# Altium PCB roach2.PcbDoc (part 37 of 39)
Units mil, origin at the board's own origin, x right, y up, seen from the top; angles counter-clockwise.
Board outline 12007.87 x 9606.3 mil, 16 copper layers (L1_TOP, L2_G, L3_S, L4_G, L5_S, L6_P, L7_G, L8_R, L9_R, L10_P, L11_P, L12_S, L13_P, L14_S, L15_G, L16_BOT), stack 81.651 mil thick; 1608 components, 1934 nets, 9335 pads, 6759 vias.
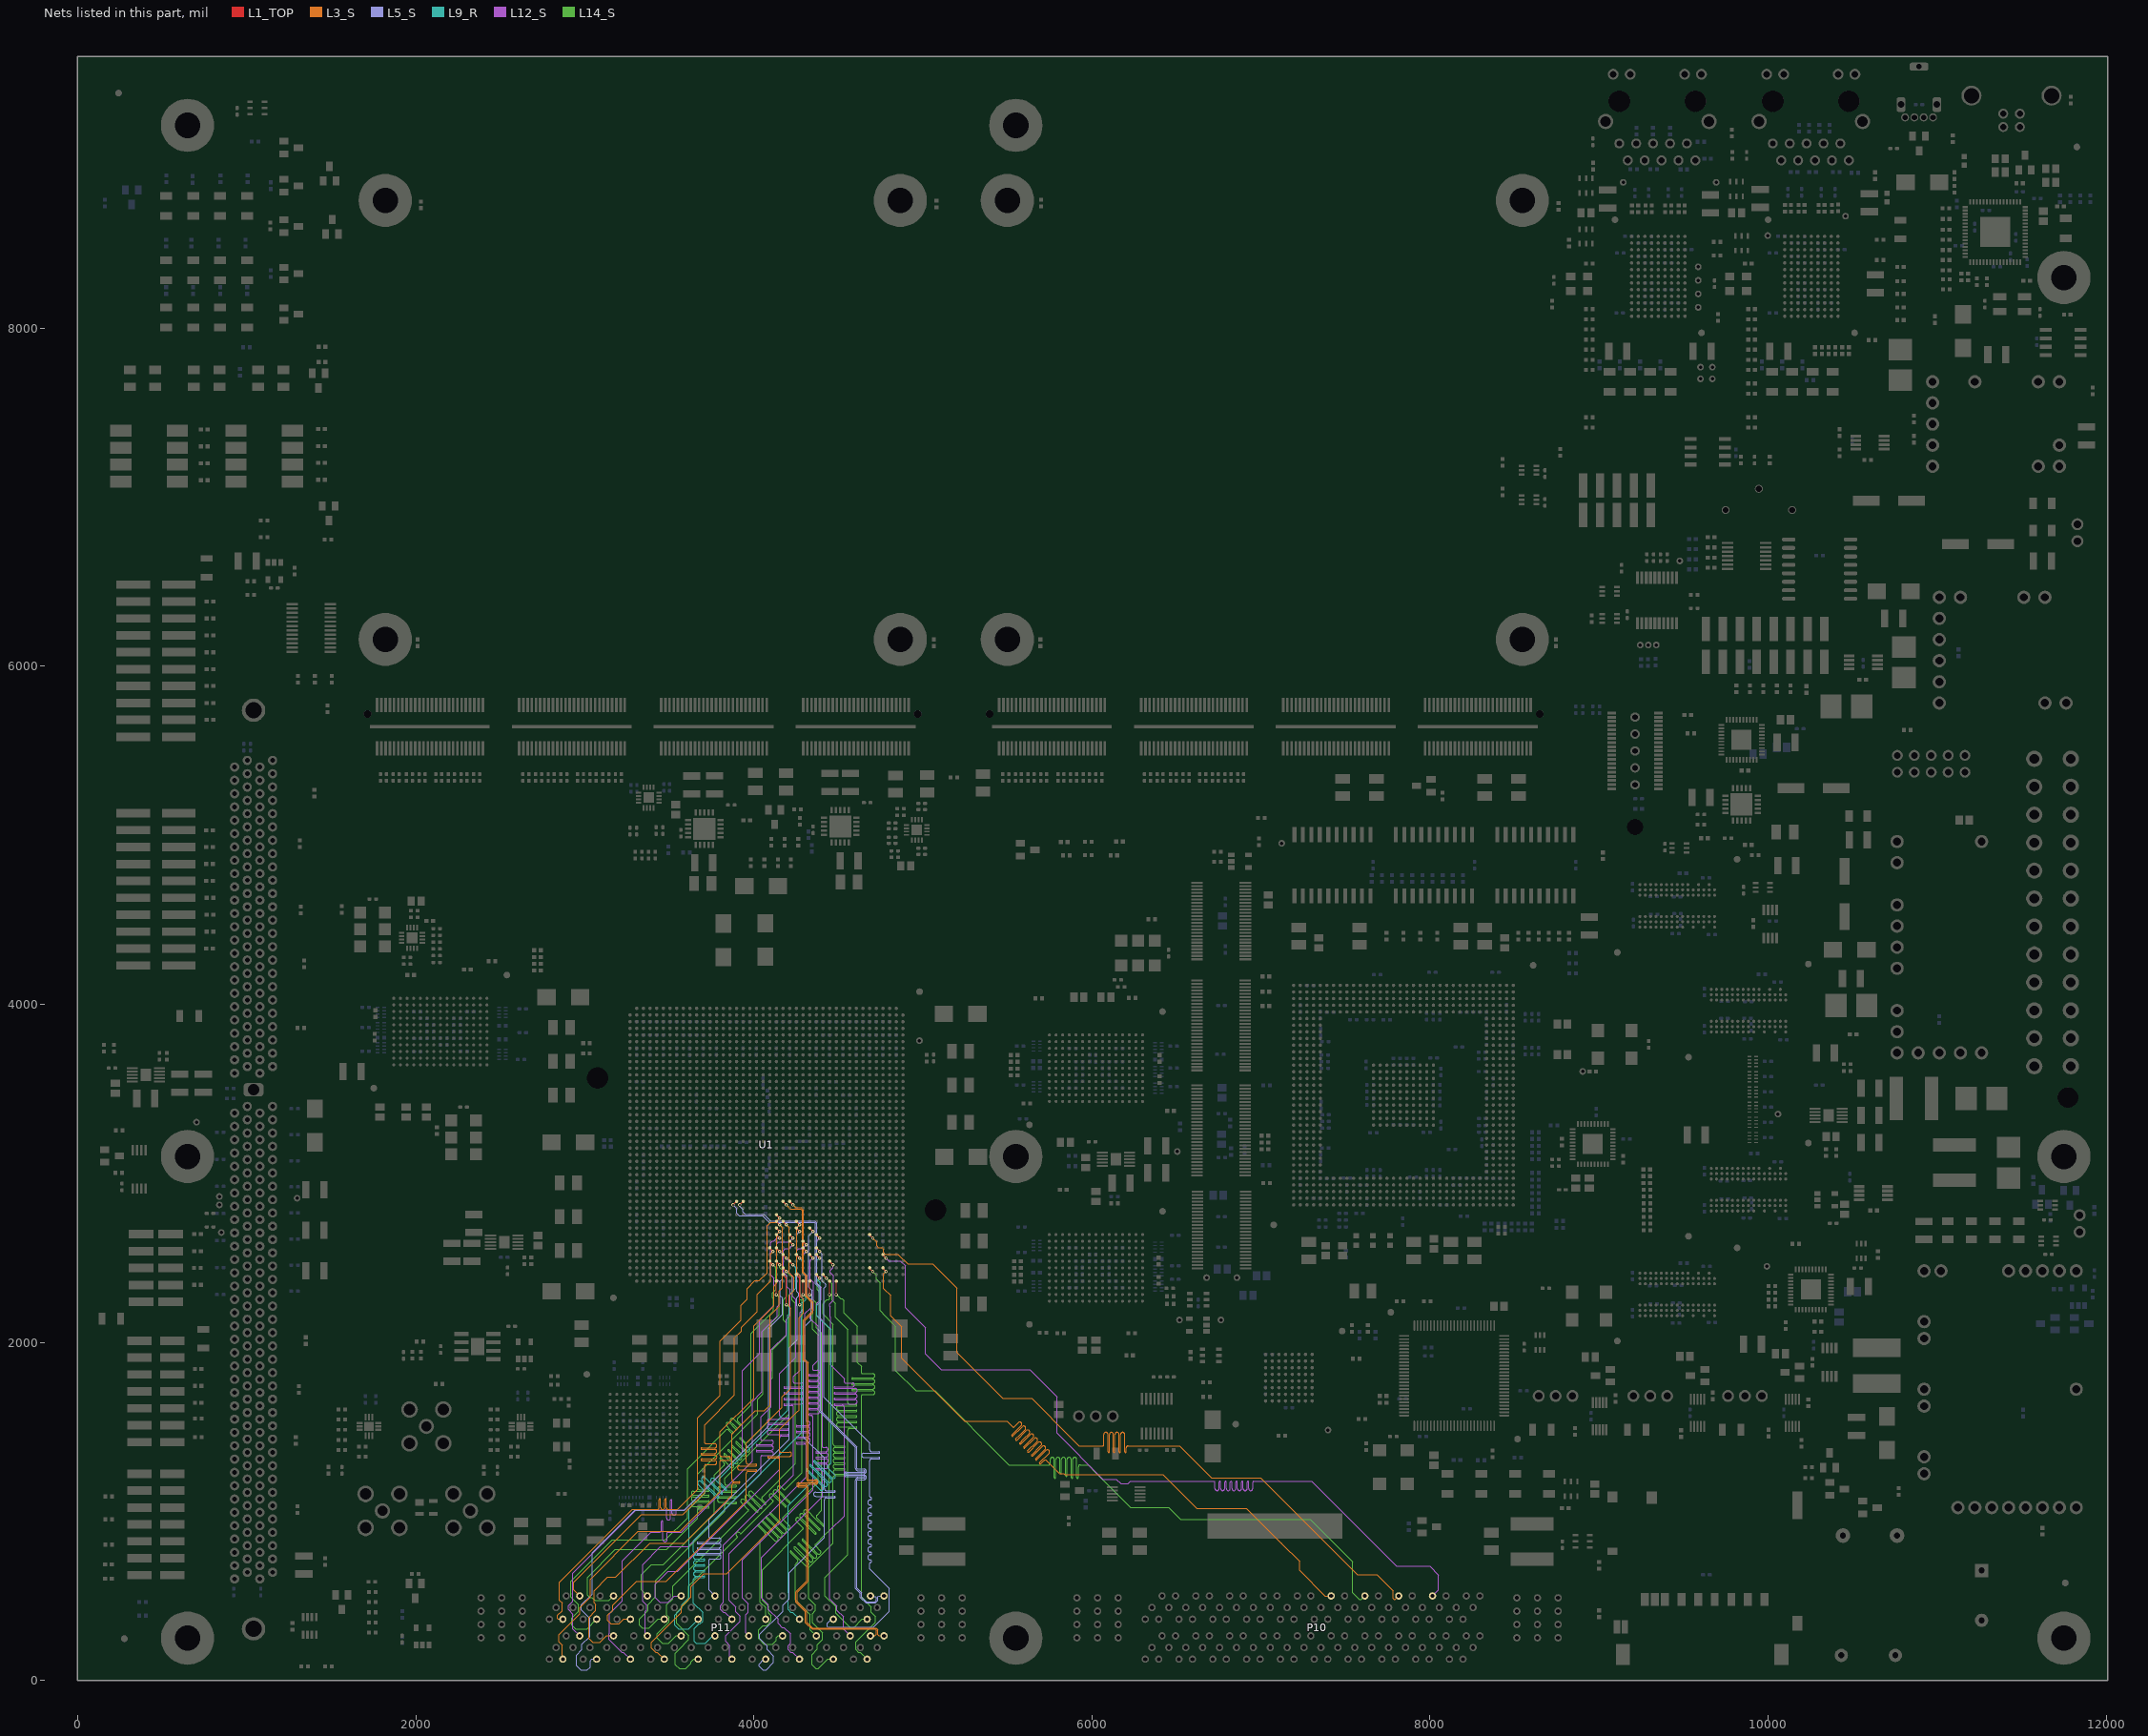
[diagram p51: the nets of this part, all layers, seen from the top]

## Via types
v1: diameter 19.4, hole 10, L1_TOP to L16_BOT, tented both sides, 3354 vias
v2: diameter 19.4, hole 10, L1_TOP to L16_BOT, 1884 vias
v3: diameter 19.4, hole 10, L1_TOP to L16_BOT, tented top, 410 vias
v4: diameter 18.6, hole 10, L1_TOP to L16_BOT, tented both sides, 311 vias
v5: diameter 59.06, hole 39.37, L1_TOP to L16_BOT, 217 vias
v6: diameter 19, hole 10, L1_TOP to L16_BOT, 198 vias
v7: diameter 19.4, hole 10.04, L1_TOP to L16_BOT, 125 vias
v8: diameter 19.4, hole 10, L1_TOP to L16_BOT, tented bottom, 80 vias
v9: diameter 25.98, hole 12.99, L1_TOP to L16_BOT, tented top, 59 vias
v10: diameter 20, hole 10, L1_TOP to L16_BOT, 52 vias
v11: diameter 59.06, hole 39.37, L1_TOP to L16_BOT, tented top, 44 vias
v12: diameter 20, hole 10, L1_TOP to L16_BOT, tented top, 16 vias
v13: diameter 19, hole 10, L1_TOP to L16_BOT, tented top, 5 vias
v14: diameter 50, hole 28, L1_TOP to L16_BOT, 4 vias

## Nets (pads, with @x,y where several pads share a name; then routed paths per layer and width w, separated by ;. In a path a pad name is that pad's centre, name@x,y a point inside that pad or via, vN(x,y) a via of type N, cw(c..) or ccw(c..) an arc to the next point about the centre after c; other vN are vias at no path point) (continued)
ZDOK0.DP_P34: P10.F11 U1.D40 | length 5151.5
  L1_TOP w5: U1.D40@4762.88,2439.41 v1(4782.57,2419.72)
  L3_S w3.8: v1@4783.47,2421.26 4782.25,2420.04 4767.68,2405.47 4767.68,2318.99 4808.99,2277.68 4808.99,2157.99 4874.99,2091.99 4874.99,1904.99 5246.99,1532.99 5499.02,1532.99 5504.26,1527.75 5532.82,1499.19 ccw(c5535.94,1502.3) 5539.05,1499.19 5564.68,1524.82 cw(c5573.31,1516.2) 5581.94,1524.83 cw(c5573.31,1516.2) 5585.51,1516.2 cw(c5573.31,1516.2) 5581.94,1507.58 5550.44,1476.07 ; 5550.43,1476.06 5526.43,1452.07 ccw(c5529.54,1448.95) 5526.42,1445.84 ccw(c5529.54,1448.95) 5532.65,1445.84 5588.16,1501.35 cw(c5596.79,1492.73) 5605.41,1501.35 cw(c5596.79,1492.73) 5608.99,1492.73 cw(c5596.79,1492.73) 5605.41,1484.1 5573.91,1452.6 5549.9,1428.59 ccw(c5553.01,1425.47) 5549.9,1422.36 ccw(c5553.01,1425.47) 5556.12,1422.36 5611.63,1477.87 cw(c5620.26,1469.25) 5628.89,1477.88 cw(c5620.26,1469.25) 5632.46,1469.25 cw(c5620.26,1469.25) 5628.89,1460.63 5597.39,1429.12 ; 5597.38,1429.11 5573.38,1405.12 ccw(c5576.49,1402) 5573.37,1398.89 ccw(c5576.49,1402) 5579.6,1398.89 5635.11,1454.4 cw(c5643.74,1445.78) 5652.36,1454.4 cw(c5643.74,1445.78) 5655.94,1445.78 cw(c5643.74,1445.78) 5652.36,1437.15 5620.86,1405.65 5596.85,1381.64 ccw(c5599.96,1378.52) 5596.85,1375.41 ccw(c5599.96,1378.52) 5603.07,1375.41 5658.58,1430.92 cw(c5667.21,1422.3) 5675.84,1430.93 cw(c5667.21,1422.3) 5679.41,1422.3 cw(c5667.21,1422.3) 5675.84,1413.67 5620.33,1358.17 ccw(c5623.44,1355.05) 5620.32,1351.94 ccw(c5623.44,1355.05) 5626.55,1351.94 5682.06,1407.45 cw(c5690.69,1398.83) 5699.31,1407.45 cw(c5690.69,1398.83) 5702.89,1398.83 cw(c5690.69,1398.83) 5699.31,1390.2 5643.8,1334.69 ccw(c5646.91,1331.57) 5643.8,1328.46 ccw(c5646.91,1331.57) 5650.02,1328.46 5705.54,1383.98 cw(c5714.16,1375.35) 5722.79,1383.98 cw(c5714.16,1375.35) 5726.36,1375.35 cw(c5714.16,1375.35) 5722.79,1366.72 5667.27,1311.21 ccw(c5670.39,1308.1) 5667.27,1304.99 ccw(c5670.39,1308.1) 5673.5,1304.99 5729.01,1360.5 cw(c5737.64,1351.88) 5746.26,1360.5 cw(c5737.64,1351.88) 5749.84,1351.88 cw(c5737.64,1351.88) 5746.26,1343.25 5690.75,1287.74 ccw(c5693.86,1284.62) 5690.75,1281.51 ccw(c5693.86,1284.62) 5696.97,1281.51 5715.11,1299.65 cw(c5723.74,1291.03) 5732.36,1299.65 5807.62,1224.39 5832.68,1224.39 5839.08,1217.99 6419.02,1217.99 6619.02,1017.99 6914.02,1017.99 7121.85,810.16 ; 7121.01,811.01 7121.85,810.16 ; 7123.51,808.51 7121.85,810.16 ; P10.F11@7415,500 7380,500 7227.99,652.01 7227.99,704.02 7121.85,810.16
ZDOK0.DP_P35: P10.F13 U1.F40 | length 5203.4
  L1_TOP w5: U1.F40@4684.14,2439.41 v1(4703.83,2419.72)
  L14_S w3.8: v1(4703.83,2419.72) 4724.49,2399.06 4724.49,2373.15 4746.91,2350.73 4746.91,2186.87 4776.79,2156.99 4837.99,2095.79 4837.99,1833.99 4958.99,1712.99 5071.22,1712.99 5508.42,1275.79 5748.99,1275.79 ccw(c5748.99,1280.19) 5753.39,1280.19 5753.39,1307.46 cw(c5765.59,1307.46) 5777.79,1307.46 5777.79,1200.73 ccw(c5782.19,1200.73) 5786.59,1200.73 5786.59,1307.46 cw(c5798.79,1307.46) 5810.99,1307.46 5810.99,1228.27 ccw(c5815.39,1228.27) 5819.79,1228.27 5819.79,1307.46 cw(c5831.99,1307.46) 5844.19,1307.46 5844.19,1212.36 ccw(c5848.59,1212.36) 5852.99,1212.36 5852.99,1307.46 cw(c5865.19,1307.46) 5877.39,1307.46 5877.39,1200.73 ccw(c5881.79,1200.73) 5886.19,1200.73 5886.19,1307.46 cw(c5898.39,1307.46) 5910.59,1307.46 5910.59,1200.73 ccw(c5914.99,1200.73) 5919.39,1200.73 5919.39,1263.59 cw(c5931.59,1263.59) 5931.59,1275.79 5976.22,1275.79 5981.46,1270.55 6019.01,1233.01 6229.02,1022.99 6454.02,1022.99 6523.51,953.51 7292.48,953.51 7542.99,702.99 7542.99,517.99 7582.99,477.99 7592.99,477.99 P10.F13@7615,500 ; v1@4704.73,2419.72 v1@4704.73,2421.26
ZDOK0.DP_P36: P10.F15 U1.F35 | length 5196.8
  L1_TOP w5: U1.F35@4684.14,2636.26 v1(4703.83,2616.57)
  L3_S w3.8: v1(4703.83,2616.57) 4727.6,2592.8 4727.6,2570.74 4736.74,2561.6 4757.88,2561.6 4766.97,2552.52 4766.97,2531.37 4776.11,2522.23 4851.75,2522.23 4910.81,2463.18 5058.84,2463.18 5200.79,2321.22 5200.79,1939.99 5472.79,1667.99 5644.02,1667.99 5877,1435.01 5921.06,1390.95 ; 5921.07,1390.95 5924.02,1387.99 6065.59,1387.99 ccw(c6065.59,1392.39) 6069.99,1392.39 6069.99,1455.55 cw(c6082.19,1455.55) 6094.39,1455.55 6094.39,1353.23 ccw(c6098.79,1353.23) 6103.19,1353.23 6103.19,1455.55 cw(c6115.39,1455.55) 6127.59,1455.55 6127.59,1353.23 ccw(c6131.99,1353.23) 6136.39,1353.23 6136.39,1455.55 cw(c6148.59,1455.55) 6160.79,1455.55 6160.79,1353.23 ccw(c6165.19,1353.23) 6169.59,1353.23 6169.59,1455.55 cw(c6181.79,1455.55) 6193.99,1455.55 6193.99,1353.23 ccw(c6198.39,1353.23) 6202.79,1353.23 6202.79,1375.79 cw(c6214.99,1375.79) 6214.99,1387.99 6518.22,1387.99 6708.22,1197.99 6999.02,1197.99 7258.51,938.51 7571.22,625.79 7686.22,625.79 7781.39,530.62 7781.39,484.59 7787.99,477.99 7792.99,477.99 P10.F15@7815,500
ZDOK0.DP_P37: P10.F17 U1.D38 | length 5244.8
  L1_TOP w5: U1.D38@4762.88,2518.15 v1(4782.57,2498.46)
  L12_S w3.8: v1(4782.57,2498.46) 4798.54,2482.49 4867.46,2482.49 4895.99,2453.96 4895.99,2203.76 5014.19,2085.56 5014.19,1932.66 5107.66,1839.19 5631.79,1839.19 5792.99,1677.99 5792.99,1462.99 6065.28,1190.71 6144.25,1190.71 6171.36,1163.59 6214.62,1163.59 6228.51,1177.48 6723.59,1177.48 cw(c6723.59,1173.08) 6727.99,1173.08 6727.99,1135.36 ccw(c6740.19,1135.36) 6752.39,1135.36 6752.39,1173.08 cw(c6756.79,1173.08) 6761.19,1173.08 6761.19,1135.36 ccw(c6773.39,1135.36) 6785.59,1135.36 6785.59,1173.08 cw(c6789.99,1173.08) 6794.39,1173.08 6794.39,1135.36 ccw(c6806.59,1135.36) 6818.79,1135.36 6818.79,1173.08 cw(c6823.19,1173.08) 6827.59,1173.08 6827.59,1135.36 ccw(c6839.79,1135.36) 6851.99,1135.36 6851.99,1173.08 cw(c6856.39,1173.08) 6860.79,1173.08 6860.79,1135.36 ccw(c6872.99,1135.36) 6885.19,1135.36 6885.19,1173.08 cw(c6889.59,1173.08) 6893.99,1173.08 6893.99,1135.36 ccw(c6906.19,1135.36) 6918.39,1135.36 6918.39,1173.08 cw(c6922.79,1173.08) 6927.19,1173.08 6927.19,1135.36 ccw(c6939.39,1135.36) 6951.59,1135.36 6951.59,1173.08 cw(c6955.99,1173.08) 6955.99,1177.48 7298.51,1177.48 7800.79,675.19 7997.99,675.19 8051.06,622.12 8051.06,536.06 P10.F17@8015,500
ZDOK1.CLK0_N: P11.C20 U1.V30 | length 3365.8
  L1_TOP w5: U1.V30@4211.7,2833.11 v1(4231.39,2813.42)
  L3_S w3.8: v1(4231.39,2813.42) 4247.36,2797.45 4280.45,2797.45 4294.53,2783.38 4294.53,2413.26 4314.21,2393.58 4314.21,2275.47 4349.99,2239.68 4349.99,2175.99 4302.56,2128.56 4302.56,1898.32 4320.49,1880.39 4320.49,1190.99 ccw(c4324.89,1190.99) 4324.89,1186.59 4367.49,1186.59 cw(c4367.49,1174.39) 4379.69,1174.39 cw(c4367.49,1174.39) 4367.49,1162.19 4265.7,1162.19 ccw(c4265.7,1157.79) 4265.7,1153.39 4308.29,1153.39 cw(c4308.29,1141.19) 4320.49,1141.19 4320.49,586.46 4255.99,521.96 4255.99,466.1 4313.99,408.1 4313.99,343.99 4346.99,310.99 4723.02,310.99 4733.79,300.22 4733.79,270.19 4738.99,264.99 4768.71,264.99 P11.C20@4769.92,263.78
ZDOK1.CLK0_P: P11.C19 U1.W30 | length 3394.2
  L1_TOP w5: U1.W30@4172.33,2833.11 v1(4192.02,2813.42)
  L3_S w3.8: v1(4192.02,2813.42) 4215.79,2789.65 4277.22,2789.65 4286.73,2780.15 4286.73,2410.03 4306.41,2390.35 4306.41,2272.24 4342.19,2236.45 4342.19,2179.22 4294.76,2131.8 4294.76,1895.09 4312.69,1877.16 4312.69,1190.99 ccw(c4324.89,1190.99) 4324.89,1178.79 4367.49,1178.79 cw(c4367.49,1174.39) 4371.89,1174.39 cw(c4367.49,1174.39) 4367.49,1169.99 4265.7,1169.99 ccw(c4265.7,1157.79) 4265.7,1145.59 4308.29,1145.59 cw(c4308.29,1141.19) 4312.69,1141.19 4312.69,589.69 4248.19,525.19 4248.19,462.87 4306.19,404.87 4306.19,340.76 4343.76,303.19 4719.79,303.19 4725.99,296.99 4725.99,271.99 4717.78,263.78 P11.C19@4690,263.78
ZDOK1.CLK1_N: P11.F20 U1.AF30 | length 3410.9
  L1_TOP w5: v1(3877.05,2813.42) U1.AF30@3896.74,2833.11
  L5_S w3.8: v1(3877.05,2813.42) 3899.49,2790.99 3899.49,2763.49 3912.7,2750.28 4050.13,2750.28 4089.5,2710.91 4358.39,2710.91 4365.1,2704.21 4365.1,2344.66 4387.19,2322.56 4387.19,1592.76 4600.99,1378.96 4600.99,1254.99 ccw(c4614.39,1254.99) 4614.39,1241.59 4651.82,1241.59 cw(c4651.82,1237.19) 4656.22,1237.19 cw(c4651.82,1237.19) 4651.82,1232.79 4546.37,1232.79 ccw(c4546.37,1219.39) 4546.37,1205.99 4651.82,1205.99 cw(c4651.82,1201.59) 4656.22,1201.59 cw(c4651.82,1201.59) 4651.82,1197.19 4614.39,1197.19 ccw(c4614.39,1183.79) 4600.99,1183.79 4600.99,544.96 4629.19,516.76 4629.19,490.76 4661.76,458.19 4718.08,458.19 4718.55,458.66 4719.69,458.66 4733.79,472.76 4733.79,494.79 4739,500 P11.F20@4769.92,500
ZDOK1.CLK1_P: P11.F19 U1.AE30 | length 3349.1
  L1_TOP w5: v1(3916.42,2813.42) U1.AE30@3936.11,2833.11
  L5_S w3.8: v1(3916.42,2813.42) 3916.42,2806.06 3936.49,2785.99 3936.49,2771.29 3949.33,2758.45 4058.31,2758.45 4097.68,2719.08 4115.12,2719.08 4115.49,2718.71 4361.62,2718.71 4372.9,2707.44 4372.9,2347.89 4394.99,2325.79 4394.99,1595.99 4609.99,1380.99 4609.99,1254.99 ccw(c4614.39,1254.99) 4614.39,1250.59 4651.82,1250.59 cw(c4651.82,1237.19) 4665.22,1237.19 cw(c4651.82,1237.19) 4651.82,1223.79 4546.37,1223.79 ccw(c4546.37,1219.39) 4546.37,1214.99 4651.82,1214.99 cw(c4651.82,1201.59) 4665.22,1201.59 cw(c4651.82,1201.59) 4651.82,1188.19 4614.39,1188.19 ccw(c4614.39,1183.79) 4609.99,1183.79 4609.99,546.99 4636.99,519.99 4636.99,493.99 4664.99,465.99 4714.85,465.99 4715.32,466.46 4716.46,466.46 4725.99,475.99 4725.99,488.99 4718.99,495.99 4694.01,495.99 P11.F19@4690,500 ; v1@3917.32,2814.96 v1@3917.64,2814.64
ZDOK1.DP_N0: P11.A2 U1.Y34 | length 3361.2
  L1_TOP w5: U1.Y34@4132.96,2675.63 v1(4152.65,2655.94)
  L3_S w3.8: P11.A2@2870.12,125.98 2865.31,130.79 2865.31,209.53 2846.79,228.05 2846.79,271.56 2970.99,395.76 2970.99,429.96 3032.99,491.96 3032.99,598.99 3315.19,881.19 3564.22,881.19 3800.79,1117.76 3800.79,1297.79 cw(c3805.19,1297.79) 3805.19,1302.19 3849.19,1302.19 ccw(c3849.19,1314.39) 3861.39,1314.39 ccw(c3849.19,1314.39) 3849.19,1326.59 3805.19,1326.59 cw(c3805.19,1330.99) 3800.79,1330.99 3800.79,1470.56 3999.99,1669.76 3999.99,2097.99 4117.36,2215.36 4117.36,2332.86 4137.05,2352.55 4137.05,2640.34 v1(4152.65,2655.94)
ZDOK1.DP_N1: P11.A4 U1.Y37 | length 3392.4
  L1_TOP w5: U1.Y37@4132.96,2557.52 v1(4152.65,2537.83)
  L5_S w3.8: P11.A4@3070.12,125.98 3041.98,125.98 3032.79,116.79 3032.79,79.76 3014.22,61.19 2977.76,61.19 2950.99,87.96 2950.99,149.56 2983.19,181.76 2983.19,213.19 3029.19,259.19 3029.19,367.76 2979.19,417.76 2979.19,447.19 3043.19,511.19 3043.19,756.22 3293.96,1006.99 3588.99,1006.99 4088.99,1506.99 4088.99,2085.12 4168.62,2164.75 4168.62,2263.58 4156.73,2275.47 4156.73,2362.37 4168.25,2373.89 4168.25,2524.67 4153.86,2539.05 v1@4153.54,2539.37
ZDOK1.DP_N2: P11.A6 U1.V35 | length 3412.8
  L1_TOP w5: U1.V35@4211.7,2636.26 v1(4231.39,2616.57)
  L12_S w3.8: P11.A6@3270.12,125.98 3228.77,167.33 3218.55,167.33 3142.37,243.51 3142.37,275.19 3144.99,277.82 3144.99,395.96 3220.99,471.96 3220.99,707.53 3390.66,877.19 3440.99,877.19 ccw(c3440.99,889.39) 3453.19,889.39 3453.19,939.36 cw(c3457.59,939.36) 3461.99,939.36 3461.99,832.42 ccw(c3474.19,832.42) 3486.39,832.42 3486.39,872.79 cw(c3490.79,872.79) 3490.79,877.19 3572.22,877.19 3574.5,879.47 3577.47,882.44 ; 3577.47,882.44 3990.79,1295.76 3990.79,1650.76 4048.79,1708.76 4048.79,2064.61 4137.94,2153.76 4137.94,2210.44 4156.73,2229.23 4156.73,2354.21 4137.05,2373.89 4137.05,2583.67 4146.18,2592.8 4207.62,2592.8 v1(4231.39,2616.57)
ZDOK1.DP_N3: P11.A8 U1.U33 | length 3376.6
  L1_TOP w5: U1.U33@4251.07,2715 v1(4270.76,2695.31)
  L3_S w3.8: P11.A8@3470.12,125.98 3428.77,167.33 3418.55,167.33 3394.79,191.08 3394.79,225.56 3572.99,403.76 3572.99,437.96 3628.99,493.96 3628.99,555.19 3704.99,631.19 3840.22,631.19 4155.28,946.25 4155.28,952.71 4152.51,955.48 4152.51,1305.19 ccw(c4140.31,1305.19) 4140.31,1317.39 4085.24,1317.39 cw(c4085.24,1321.79) 4085.24,1326.19 4211.98,1326.19 ccw(c4211.98,1338.39) 4224.18,1338.39 ccw(c4211.98,1338.39) 4211.98,1350.59 4156.91,1350.59 cw(c4156.91,1354.99) 4152.51,1354.99 4152.51,1485.48 4256.99,1589.96 4266.99,1599.96 4266.99,2146.49 4294.53,2174.03 4294.53,2255.78 4274.84,2275.47 4274.84,2393.58 4255.16,2413.26 4255.16,2679.71 v1(4270.76,2695.31)
ZDOK1.DP_N4: P11.A10 U1.U41 | length 3477.2
  L1_TOP w5: U1.U41@4251.07,2400.04 4270.76,2380.35 v2(4270.76,2222.87)
  L14_S w3.8: 3541.33,167.33 3535.19,161.19 3535.19,93.76 3559.76,69.19 3598.22,69.19 3628.99,99.96 3628.99,108.99 3645.98,125.98 P11.A10@3670.12,125.98 ; 3541.37,167.33 3557.51,183.47 3615.19,241.19 3615.19,265.76 3543.19,337.76 3543.19,403.19 3615.19,475.19 3615.19,559.19 3901.75,845.75 ccw(c3898.64,848.86) 3903.04,848.86 ccw(c3898.64,848.86) 3901.75,851.97 3897.08,856.64 cw(c3905.71,865.27) 3897.08,873.89 cw(c3905.71,865.27) 3914.34,873.89 3919,869.23 ccw(c3922.11,872.34) 3925.23,869.23 4001.99,945.99 4113.6,1057.6 ccw(c4110.49,1060.72) 4114.89,1060.72 ccw(c4110.49,1060.72) 4113.6,1063.83 4094.32,1083.11 cw(c4102.95,1091.74) 4094.32,1100.36 cw(c4102.95,1091.74) 4111.57,1100.36 4183.48,1028.46 ccw(c4186.59,1031.57) 4189.7,1028.46 ccw(c4186.59,1031.57) 4190.99,1031.57 ccw(c4186.59,1031.57) 4189.7,1034.68 4117.79,1106.59 cw(c4126.42,1115.21) 4117.79,1123.84 cw(c4126.42,1115.21) 4135.05,1123.84 4206.95,1051.93 ccw(c4210.06,1055.04) 4213.17,1051.93 ccw(c4210.06,1055.04) 4214.46,1055.04 ccw(c4210.06,1055.04) 4213.17,1058.16 4141.27,1130.06 cw(c4149.9,1138.69) 4141.27,1147.31 cw(c4149.9,1138.69) 4158.52,1147.31 4177.81,1128.03 ccw(c4180.92,1131.14) 4184.03,1128.03 4281.99,1225.99 4285.99,1229.99 4285.99,2249.99 4283.99,2251.99 4274.99,2251.99 4271.65,2248.65 v2@4271.65,2224.41
ZDOK1.DP_N5: P11.A12 U1.T37 | length 3346
  L1_TOP w5: U1.T37@4290.44,2557.52 v1(4310.13,2537.83)
  L12_S w3.8: P11.A12@3870.12,125.98 3857.51,138.59 3857.51,206.3 3832.99,230.82 3832.99,263.96 3919.28,350.25 3919.28,380.71 3892.79,407.19 3892.79,435.19 3854.99,472.99 3854.99,749.96 4309.99,1204.96 4309.99,1387.59 ccw(c4297.79,1387.59) 4297.79,1399.79 4254.99,1399.79 cw(c4254.99,1404.19) 4254.99,1408.59 4321.19,1408.59 ccw(c4321.19,1420.79) 4333.39,1420.79 ccw(c4321.19,1420.79) 4321.19,1432.99 4254.99,1432.99 cw(c4254.99,1437.39) 4254.99,1441.79 4321.19,1441.79 ccw(c4321.19,1453.99) 4333.39,1453.99 ccw(c4321.19,1453.99) 4321.19,1466.19 4254.99,1466.19 cw(c4254.99,1470.59) 4254.99,1474.99 4321.19,1474.99 ccw(c4321.19,1487.19) 4333.39,1487.19 ccw(c4321.19,1487.19) 4321.19,1499.39 4254.99,1499.39 cw(c4254.99,1503.79) 4254.99,1508.19 4321.19,1508.19 ccw(c4321.19,1520.39) 4333.39,1520.39 ccw(c4321.19,1520.39) 4321.19,1532.59 4314.39,1532.59 cw(c4314.39,1536.99) 4309.99,1536.99 4309.99,1890.89 4302.56,1898.32 4302.56,2171.06 4337.49,2205.99 4337.49,2252.18 4314.21,2275.47 4314.21,2393.58 4294.53,2413.26 4294.53,2522.23 v1(4310.13,2537.83)
ZDOK1.DP_N6: P11.A14 U1.R34 | length 3391.4
  L1_TOP w5: U1.R34@4329.81,2675.63 v1(4349.5,2655.94)
  L5_S w3.8: P11.A14@4070.12,125.98 4059.98,125.98 4030.99,96.99 4030.99,84.99 4052.99,62.99 4073.19,62.99 4117.19,106.99 4117.19,143.56 4078.99,181.76 4078.99,203.96 4034.99,247.96 4034.99,272.79 4171.19,408.99 4171.19,445.19 4209.19,483.19 4209.19,637.19 4417.48,845.48 4417.48,1068.59 cw(c4429.68,1068.59) 4429.68,1080.79 4477,1080.79 ccw(c4477,1085.19) 4481.4,1085.19 ccw(c4477,1085.19) 4477,1089.59 4365.75,1089.59 cw(c4365.75,1101.79) 4365.75,1113.99 4477,1113.99 ccw(c4477,1118.39) 4481.4,1118.39 ccw(c4477,1118.39) 4477,1122.79 4429.68,1122.79 cw(c4429.68,1134.99) 4417.48,1134.99 4417.48,1315.48 4293.99,1438.96 4293.99,2087.99 4338.49,2132.49 4338.49,2192.49 4345.41,2199.41 4345.41,2307.07 4325.73,2326.76 4325.73,2632.17 v1(4349.5,2655.94)
ZDOK1.DP_N7: P11.A16 U1.P35 | length 3345.7
  L1_TOP w5: U1.P35@4369.18,2636.26 v1(4388.87,2616.57)
  L12_S w3.8: P11.A16@4270.12,125.98 4228.77,167.33 4218.55,167.33 4202.41,183.47 4202.41,206.3 4216.79,220.68 4216.79,275.19 4178.99,312.99 4166.99,312.99 4142.99,336.99 4142.99,362.79 4084.79,420.99 4084.79,447.19 4044.99,486.99 4044.99,727.96 4404.99,1087.96 4404.99,1233.59 ccw(c4392.79,1233.59) 4392.79,1245.79 4370.24,1245.79 cw(c4370.24,1250.19) 4370.24,1254.59 4426.74,1254.59 ccw(c4426.74,1266.79) 4438.94,1266.79 ccw(c4426.74,1266.79) 4426.74,1278.99 4370.24,1278.99 cw(c4370.24,1283.39) 4370.24,1287.79 4426.74,1287.79 ccw(c4426.74,1299.99) 4438.94,1299.99 ccw(c4426.74,1299.99) 4426.74,1312.19 4370.24,1312.19 cw(c4370.24,1316.59) 4370.24,1320.99 4426.74,1320.99 ccw(c4426.74,1333.19) 4438.94,1333.19 ccw(c4426.74,1333.19) 4426.74,1345.39 4370.24,1345.39 cw(c4370.24,1349.79) 4370.24,1354.19 4426.74,1354.19 ccw(c4426.74,1366.39) 4438.94,1366.39 ccw(c4426.74,1366.39) 4426.74,1378.59 4409.39,1378.59 cw(c4409.39,1382.99) 4404.99,1382.99 4404.99,2129.79 4373.79,2160.99 4373.79,2230.29 4397.56,2254.06 4397.56,2325.91 4373.27,2350.21 4373.27,2600.97 v1(4388.87,2616.57)
ZDOK1.DP_N8: P11.A18 U1.M42 | length 3357.4
  L1_TOP w5: v2(4447.92,2281.93) U1.M42@4447.92,2360.67
  L14_S w3.8: v2@4448.82,2283.46 4448.82,2281.93 4448.82,2257.82 4442.79,2251.79 4431.76,2251.79 4408.19,2228.22 4408.19,2167.76 4469.19,2106.76 4469.19,1398.99 ccw(c4481.39,1398.99) 4481.39,1386.79 4533.99,1386.79 cw(c4533.99,1382.39) 4538.39,1382.39 cw(c4533.99,1382.39) 4533.99,1377.99 4481.39,1377.99 ccw(c4481.39,1365.79) 4481.39,1353.59 4533.99,1353.59 cw(c4533.99,1349.19) 4538.39,1349.19 cw(c4533.99,1349.19) 4533.99,1344.79 4481.39,1344.79 ccw(c4481.39,1332.59) 4481.39,1320.39 4533.99,1320.39 cw(c4533.99,1315.99) 4538.39,1315.99 cw(c4533.99,1315.99) 4533.99,1311.59 4481.39,1311.59 ccw(c4481.39,1299.39) 4481.39,1287.19 4533.99,1287.19 cw(c4533.99,1282.79) 4538.39,1282.79 cw(c4533.99,1282.79) 4533.99,1278.39 4481.39,1278.39 ccw(c4481.39,1266.19) 4481.39,1253.99 4533.99,1253.99 cw(c4533.99,1249.59) 4538.39,1249.59 cw(c4533.99,1249.59) 4533.99,1245.19 4481.39,1245.19 ccw(c4481.39,1232.99) 4481.39,1220.79 4533.99,1220.79 cw(c4533.99,1216.39) 4538.39,1216.39 cw(c4533.99,1216.39) 4533.99,1211.99 4481.39,1211.99 ccw(c4481.39,1199.79) 4469.19,1199.79 4469.19,811.19 4325.19,667.19 4325.19,485.76 4364.99,445.96 4364.99,412.99 4346.99,394.99 4346.99,341.96 4406.99,281.96 4406.99,242.99 4375.19,211.19 4375.19,185.19 4343.19,153.19 4343.19,93.76 4367.76,69.19 4380.22,69.19 4437.01,125.98 P11.A18@4470.12,125.98
ZDOK1.DP_N9: P11.A20 U1.L42 | length 3337.6
  L1_TOP w5: v2(4487.29,2281.93) U1.L42@4487.29,2360.67
  L14_S w3.8: v2@4488.19,2283.46 4488.51,2283.15 4513.66,2257.99 4522.99,2257.99 4533.99,2246.99 4533.99,2172.99 4612.99,2093.99 4612.99,1881.99 4636.99,1857.99 4636.99,1818.99 ccw(c4641.39,1818.99) 4641.39,1814.59 4703.67,1814.59 cw(c4703.67,1802.39) 4715.87,1802.39 cw(c4703.67,1802.39) 4703.67,1790.19 4584.11,1790.19 ccw(c4584.11,1785.79) 4584.11,1781.39 4703.67,1781.39 cw(c4703.67,1769.19) 4715.87,1769.19 cw(c4703.67,1769.19) 4703.67,1756.99 4584.11,1756.99 ccw(c4584.11,1752.59) 4584.11,1748.19 4703.67,1748.19 cw(c4703.67,1735.99) 4715.87,1735.99 cw(c4703.67,1735.99) 4703.67,1723.79 4584.11,1723.79 ccw(c4584.11,1719.39) 4584.11,1714.99 4703.67,1714.99 cw(c4703.67,1702.79) 4715.87,1702.79 cw(c4703.67,1702.79) 4703.67,1690.59 4641.39,1690.59 ccw(c4641.39,1686.19) 4636.99,1686.19 4636.99,490.99 4692.79,435.19 4692.79,403.19 4719.28,376.71 4719.28,344.25 4602.99,227.96 4602.99,206.88 4602.41,206.3 4602.41,183.47 4618.55,167.33 4628.77,167.33 P11.A20@4670.12,125.98
ZDOK1.DP_N10: P11.D2 U1.Y32 | length 3397.2
  L1_TOP w5: U1.Y32@4132.96,2754.37 v1(4152.65,2734.68)
  L3_S w3.8: P11.D2@2870.12,362.2 2841.78,362.2 2838.51,365.48 2838.51,385.48 2865.31,412.28 2865.31,458.67 2850.99,472.99 2850.99,579.96 3282.22,1011.19 3427.99,1011.19 ccw(c3427.99,1023.39) 3440.19,1023.39 3440.19,1069.8 cw(c3444.59,1069.8) 3448.99,1069.8 3448.99,1023.39 ccw(c3461.19,1023.39) 3473.39,1023.39 3473.39,1069.8 cw(c3477.79,1069.8) 3482.19,1069.8 3482.19,1023.39 ccw(c3494.39,1023.39) 3494.39,1011.19 3548.22,1011.19 3666.99,1129.96 3666.99,1552.96 3801.22,1687.19 3801.22,2008.42 3923.49,2130.69 3923.49,2219.49 3959.88,2255.88 3959.88,2317.88 4006.99,2364.99 4031.99,2364.99 4078.49,2411.49 4078.49,2689.49 4099.91,2710.91 4128.88,2710.91 v1(4152.65,2734.68)